# KiCad board Apollo - DSP.kicad_pcb
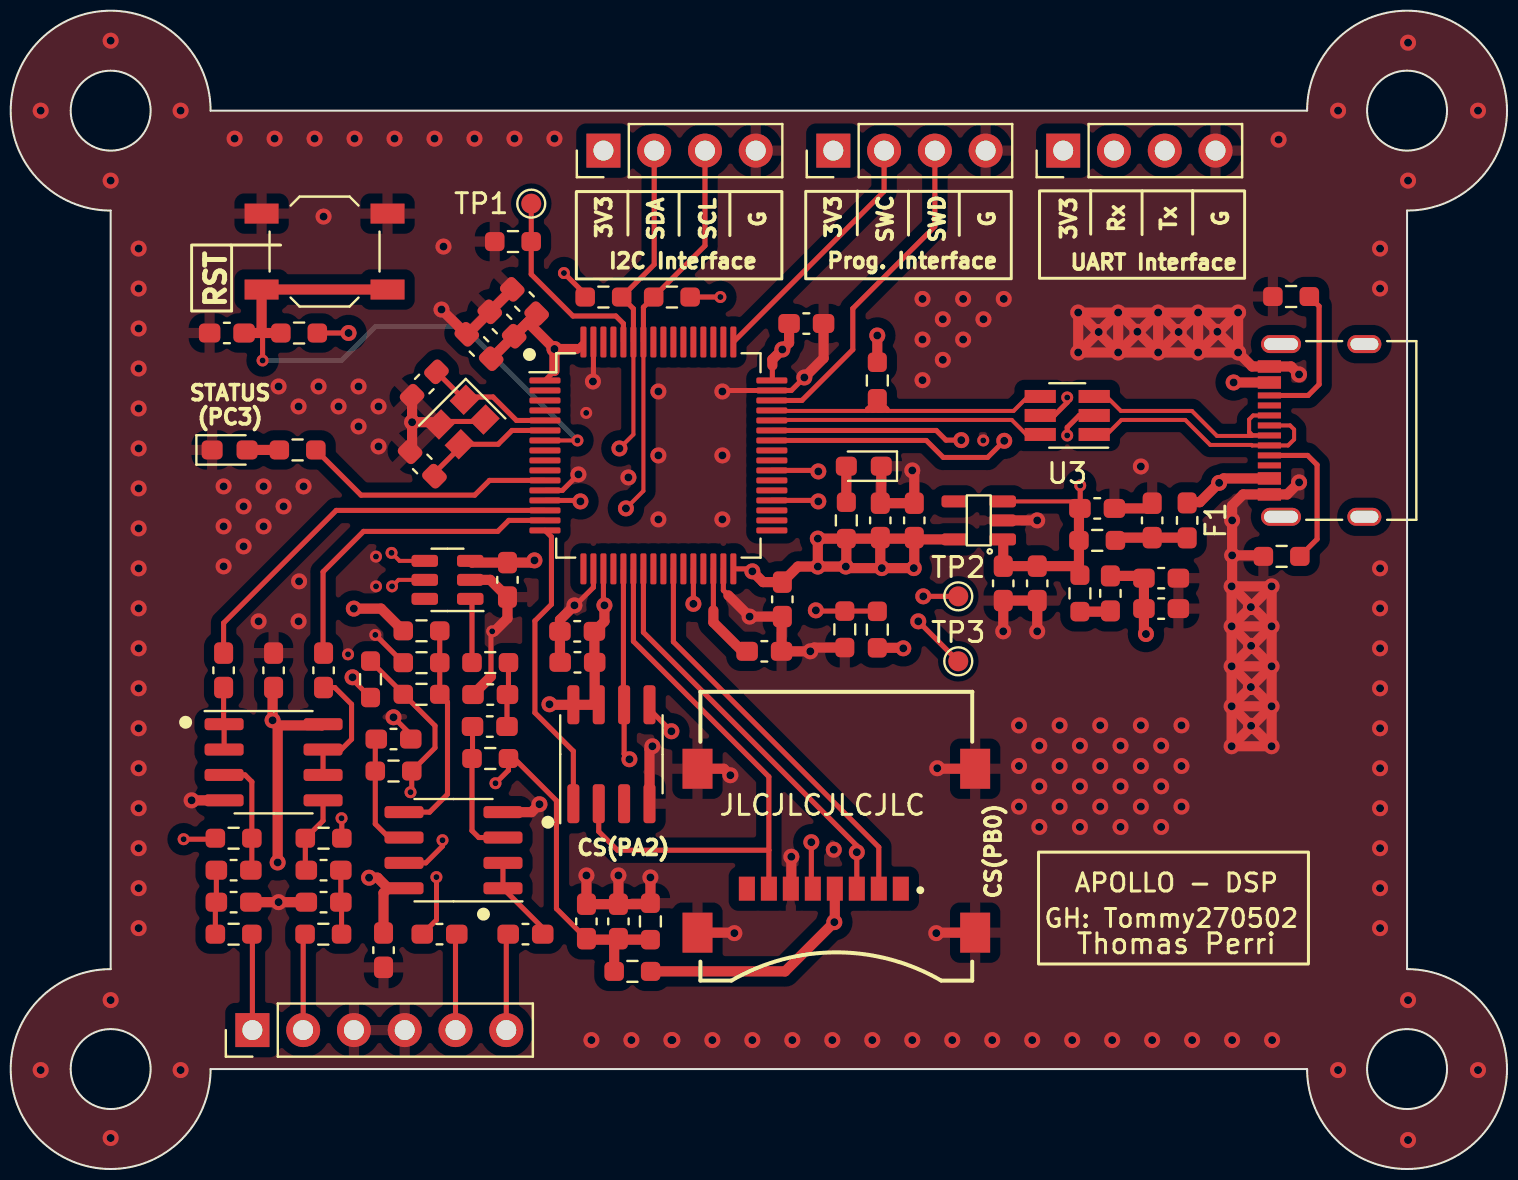
[diagram p0: board, top side]
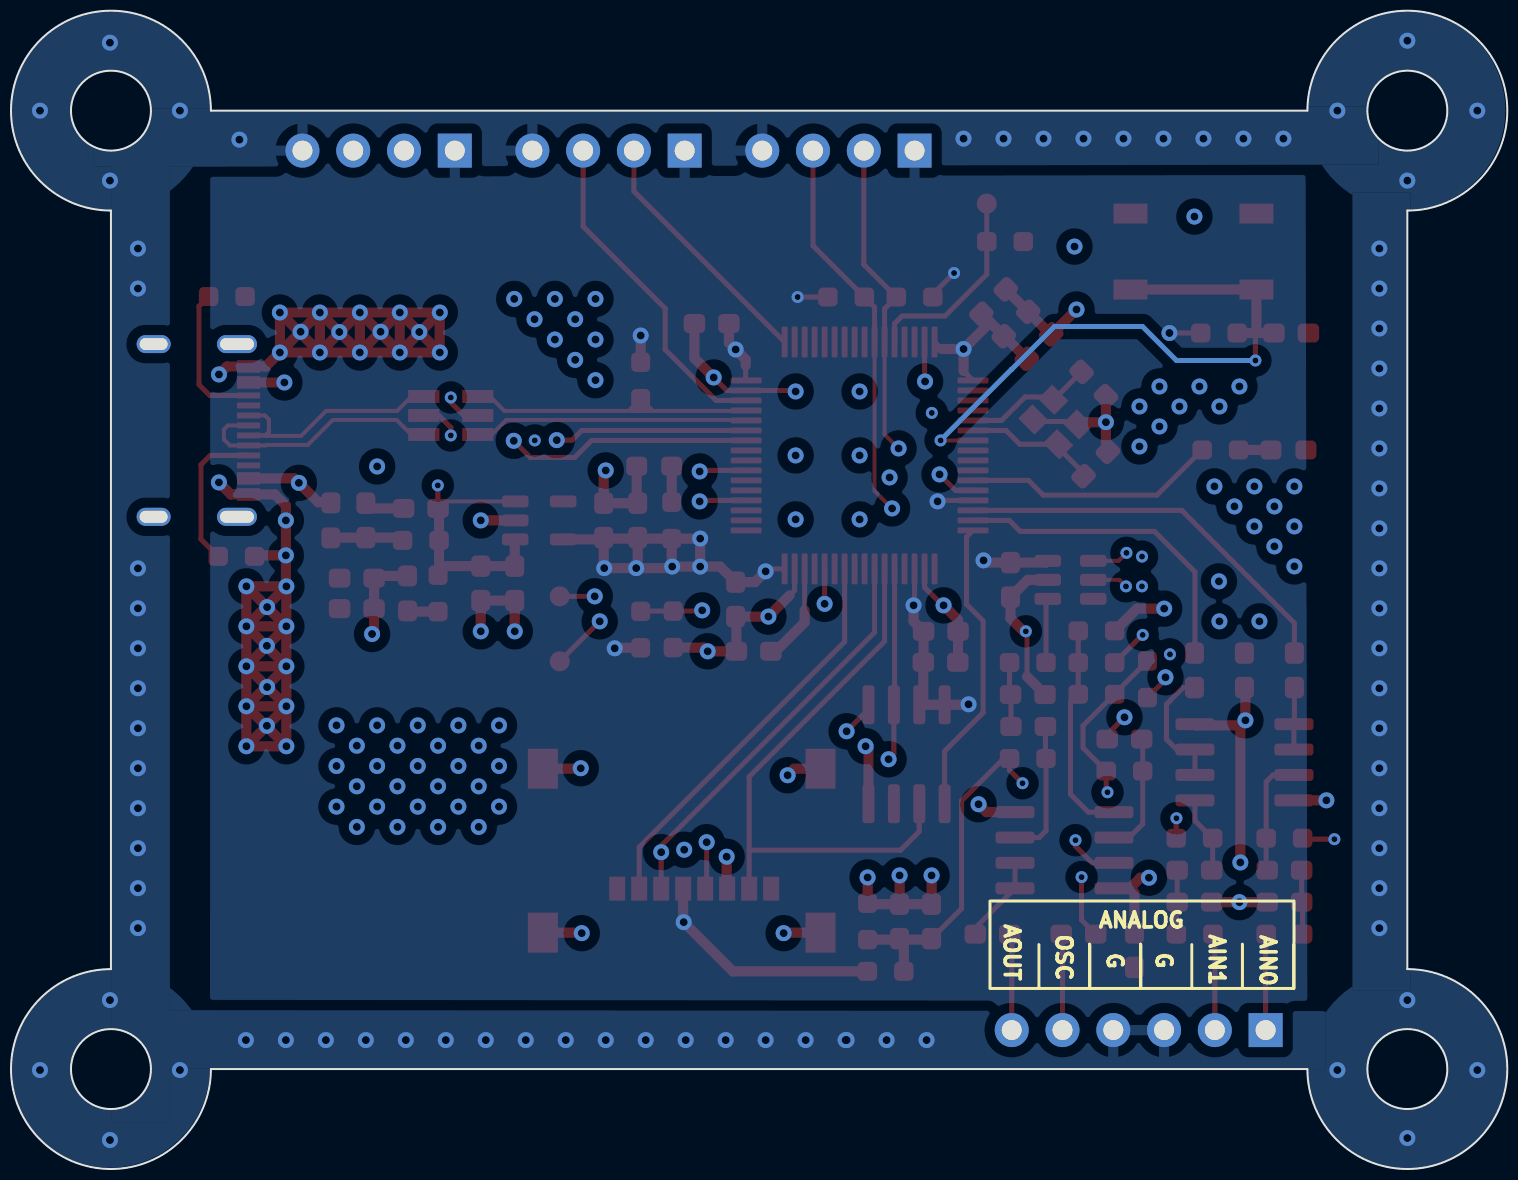
[diagram p1: board, bottom side, seen from below]

Outline 74.85 x 57.95 mm; copper layers: Top, In1.Cu, In2.Cu, Bottom. Coordinates in mm from the lower left corner of the outline.
Outline path: circle c5,52.95 r2 ; circle c5,5 r2 ; circle c69.85,52.95 r2 ; circle c69.85,5 r2 ; 5,47.95 arc(1.46,56.48) 10,52.95 64.85,52.95 arc(73.38,56.48) 69.85,47.95 69.85,10 arc(73.38,1.46) 64.85,5 10,5 arc(1.46,1.46) 5,10 5,47.95
Stack: Top 0.035mm / dielectric 0.2104mm FR4 er 4.5 / In1.Cu 0.0152mm / dielectric 1.065mm FR4 er 4.5 / In2.Cu 0.0152mm / dielectric 0.2104mm FR4 er 4.5 / Bottom 0.035mm

## Placement (name value [footprint] x y rotation side)
C1  10u  [C_0603_1608Metric_Pad1.08x0.95mm_HandSolder]  57.1 32.45 90 top
C2  10u  [C_0603_1608Metric_Pad1.08x0.95mm_HandSolder]  54.35 33.05 0 top
C3  10u  [C_0603_1608Metric_Pad1.08x0.95mm_HandSolder]  49.65 29.3 270 top
C4  100n  [C_0603_1608Metric_Pad1.08x0.95mm_HandSolder]  51.35 29.3 270 top
C5  10u  [C_0603_1608Metric_Pad1.08x0.95mm_HandSolder]  45.2 32.45 90 top
C6  100n  [C_0603_1608Metric_Pad1.08x0.95mm_HandSolder]  43.5 32.45 90 top
C7  220u  [C_0603_1608Metric_Pad1.08x0.95mm_HandSolder]  57.55 29.56 0 top
C8  10u  [C_0603_1608Metric_Pad1.08x0.95mm_HandSolder]  57.55 28.03 0 top
C13  10u  [C_0603_1608Metric_Pad1.08x0.95mm_HandSolder]  30.4 12.38 90 top
C14  10u  [C_0603_1608Metric_Pad1.08x0.95mm_HandSolder]  28.8 12.38 90 top
C15  100n  [C_0603_1608Metric_Pad1.08x0.95mm_HandSolder]  38.6 28.5 270 top
C16  100n  [C_0603_1608Metric_Pad1.08x0.95mm_HandSolder]  28.33 26.9 180 top
C17  100n  [C_0603_1608Metric_Pad1.08x0.95mm_HandSolder]  39.8 42.3 0 top
C18  100n  [C_0603_1608Metric_Pad1.08x0.95mm_HandSolder]  23.42 41.15 135 top
C19  100n  [C_0603_1608Metric_Pad1.08x0.95mm_HandSolder]  25.7 43.4 135 top
C20  10u  [C_0603_1608Metric_Pad1.08x0.95mm_HandSolder]  24.57 42.27 135 top
C21  100n  [C_0603_1608Metric_Pad1.08x0.95mm_HandSolder]  10.81 41.82 180 top
C23  10u  [C_0603_1608Metric_Pad1.08x0.95mm_HandSolder]  37.7 25.9 0 top
C24  10p  [C_0603_1608Metric_Pad1.08x0.95mm_HandSolder]  20.68 39.27 225 top
C25  10p  [C_0603_1608Metric_Pad1.08x0.95mm_HandSolder]  20.58 35.27 135 top
C26  100n  [C_0603_1608Metric_Pad1.08x0.95mm_HandSolder]  28.35 25.35 180 top
C29  100n  [C_0603_1608Metric_Pad1.08x0.95mm_HandSolder]  24.85 29.47 90 top
C30  100n  [C_0603_1608Metric_Pad1.08x0.95mm_HandSolder]  11.15 14.95 0 top
C31  100n  [C_0603_1608Metric_Pad1.08x0.95mm_HandSolder]  23.96 22.13 180 top
C32  100n  [C_0603_1608Metric_Pad1.08x0.95mm_HandSolder]  10.65 24.95 90 top
C33  1n  [C_0603_1608Metric_Pad1.08x0.95mm_HandSolder]  11.15 13.35 180 top
C34  100n  [C_0603_1608Metric_Pad1.08x0.95mm_HandSolder]  25.75 11.75 180 top
C35  1n  [C_0603_1608Metric_Pad1.08x0.95mm_HandSolder]  23.98 23.73 0 top
C36  100n  [C_0603_1608Metric_Pad1.08x0.95mm_HandSolder]  15.65 14.95 180 top
C37  100n  [C_0603_1608Metric_Pad1.08x0.95mm_HandSolder]  15.65 24.95 90 top
C38  1n  [C_0603_1608Metric_Pad1.08x0.95mm_HandSolder]  15.65 13.35 0 top
C39  100n  [C_0603_1608Metric_Pad1.08x0.95mm_HandSolder]  18.65 10.95 90 top
C40  100n  [C_0603_1608Metric_Pad1.08x0.95mm_HandSolder]  21.45 11.75 0 top
C41  100n  [C_0603_1608Metric_Pad1.08x0.95mm_HandSolder]  19.15 21.51 180 top
C42  100n  [C_0603_1608Metric_Pad1.08x0.95mm_HandSolder]  13.15 24.95 270 top
D1  Red  [LED_0603_1608Metric_Pad1.05x0.95mm_HandSolder]  42.67 35.16 180 top
D2  Green  [LED_0603_1608Metric_Pad1.05x0.95mm_HandSolder]  10.95 35.97 0 top
F1  500mA  [Fuse_0603_1608Metric_Pad1.05x0.95mm_HandSolder]  58.85 32.45 270 top
FB1  100R@100MHz  [R_0603_1608Metric_Pad0.98x0.95mm_HandSolder]  54.35 31.45 180 top
J1  USB_C_Receptacle_USB2.0  [USB_C_Receptacle_Palconn_UTC16-G]  65.47 36.95 90 top
J2  Conn_01x04  [PinHeader_1x04_P2.54mm_Vertical]  41.15 50.95 90 top
J3  Conn_01x04  [PinHeader_1x04_P2.54mm_Vertical]  52.65 50.95 90 top
J4  MEM2067-02-180-00-A_REVB  [GCT_MEM2067-02-180-00-A_REVB]  41.3 16.65 0 top
J5  Conn_01x06  [PinHeader_1x06_P2.54mm_Vertical]  12.09 6.95 90 top
J6  Conn_01x04  [PinHeader_1x04_P2.54mm_Vertical]  29.65 50.95 90 top
L1  8u8  [L_0603_1608Metric_Pad1.05x0.95mm_HandSolder]  55.01 28.79 90 top
R1  1k  [R_0603_1608Metric_Pad0.98x0.95mm_HandSolder]  41.8 32.45 270 top
R2  5.1k  [R_0603_1608Metric_Pad0.98x0.95mm_HandSolder]  63.57 30.65 180 top
R3  5.1k  [R_0603_1608Metric_Pad0.98x0.95mm_HandSolder]  64.05 43.65 180 top
R4  5k1  [R_0603_1608Metric_Pad0.98x0.95mm_HandSolder]  31.1 9.88 0 top
R5  5k1  [R_0603_1608Metric_Pad0.98x0.95mm_HandSolder]  32 12.38 90 top
R6  10k  [R_0603_1608Metric_Pad0.98x0.95mm_HandSolder]  14.42 41.82 180 top
R7  10k  [R_0603_1608Metric_Pad0.98x0.95mm_HandSolder]  25.12 46.4 180 top
R8  1k  [R_0603_1608Metric_Pad0.98x0.95mm_HandSolder]  14.35 35.97 180 top
R9  5k1  [R_0603_1608Metric_Pad0.98x0.95mm_HandSolder]  33.07 43.62 0 top
R10  5k1  [R_0603_1608Metric_Pad0.98x0.95mm_HandSolder]  29.65 43.62 180 top
R11  1M  [R_0603_1608Metric_Pad0.98x0.95mm_HandSolder]  11.15 16.55 180 top
R12  1M  [R_0603_1608Metric_Pad0.98x0.95mm_HandSolder]  23.98 20.53 0 top
R13  1.5k  [R_0603_1608Metric_Pad0.98x0.95mm_HandSolder]  43.35 39.45 270 top
R13#2  160R  [R_0603_1608Metric_Pad0.98x0.95mm_HandSolder]  11.15 11.75 0 top
R14  160R  [R_0603_1608Metric_Pad0.98x0.95mm_HandSolder]  23.98 25.33 180 top
R15  1M  [R_0603_1608Metric_Pad0.98x0.95mm_HandSolder]  15.65 16.55 0 top
R16  5k1  [R_0603_1608Metric_Pad0.98x0.95mm_HandSolder]  20.55 23.75 0 top
R17  160R  [R_0603_1608Metric_Pad0.98x0.95mm_HandSolder]  15.63 11.75 180 top
R18  5k1  [R_0603_1608Metric_Pad0.98x0.95mm_HandSolder]  20.55 25.33 180 top
R19  5k1  [R_0603_1608Metric_Pad0.98x0.95mm_HandSolder]  19.15 19.91 180 top
R20  160R  [R_0603_1608Metric_Pad0.98x0.95mm_HandSolder]  18 24.5 90 top
R21  5k1  [R_0603_1608Metric_Pad0.98x0.95mm_HandSolder]  20.55 26.92 0 top
R22  10k  [R_0603_1608Metric_Pad0.98x0.95mm_HandSolder]  41.72 27 270 top
R23  10k  [R_0603_1608Metric_Pad0.98x0.95mm_HandSolder]  43.35 26.98 90 top
R24  10R  [R_0603_1608Metric_Pad0.98x0.95mm_HandSolder]  53.48 28.79 270 top
RESET1  RST  [SW_SPST_TL3342]  15.7 45.9 0 top
TP1  TestPoint  [TestPoint_Pad_D1.0mm]  26.03 48.29 0 top
TP2  TestPoint  [TestPoint_Pad_D1.0mm]  47.4 28.65 0 top
TP3  TestPoint  [TestPoint_Pad_D1.0mm]  47.4 25.4 0 top
U1  -  [NCP115ASN330T2G]  48.42 32.45 180 top
U3  USBLC6-2SC6  [SOT-23-6_Handsoldering]  52.85 37.7 180 top
U4  STM32F401RBTx  [LQFP-64_10x10mm_P0.5mm]  32.4 35.7 0 top
U5  23K256  [SOIC-8_3.9x4.9mm_P1.27mm]  30.05 20.75 90 top
U6  MCP4725xxx-xCH  [SOT-23-6]  21.85 29.47 180 top
U7  MCP602  [SOIC-8_3.9x4.9mm_P1.27mm]  13.15 20.35 0 top
U8  MCP602  [SOIC-8_3.9x4.9mm_P1.27mm]  22.15 15.95 180 top
Y1  16MHz  [Crystal_SMD_2520-4Pin_2.5x2.0mm]  22.58 37.37 225 top

## Library data of the parts
C1-C8 C13-C21 C23-C26 C29-C42 = -: Description: Unpolarized capacitor, small symbol
D1 D2 = -: Description: Light emitting diode, small symbol
F1 = -: Description: Fuse
FB1 = -: Description: Ferrite bead, small symbol
J1 = -: Description: USB 2.0-only Type-C Receptacle connector
J2 J3 J6 = -: Description: Generic connector, single row, 01x04, script generated (kicad-library-utils/schlib/autogen/connector/)
J4 = -: MANUFACTURER: GCT
J5 = -: Description: Generic connector, single row, 01x06, script generated (kicad-library-utils/schlib/autogen/connector/)
L1 = -: Description: Inductor, small symbol
R1-R12 R13#2 R14-R24 = -: Description: Resistor, small symbol
RESET1 = -: Description: Push button switch, generic, two pins
TP1-TP3 = -: Description: test point
U1 = -: Description: 5V to 3V3 LDO @ 300mA
U3 = -: AVAILABILITY: In Stock; DESCRIPTION: 17V Clamp 5A (8/20µs) Ipp Tvs Diode Surface Mount SOT-23-6; MF: STMicroelectronics; PACKAGE: SOT-23-6 STMicroelectronics; PRICE: None; PURCHASE-URL: https://pricing.snapeda.com/search/part/USBLC6-2SC6/?ref=eda
U4 = -: Description: ARM Cortex-M4 MCU, 128KB flash, 64KB RAM, 84MHz, 1.7-3.6V, 50 GPIO, LQFP-64
U6 = -: Description: 12-bit Digital-to-Analog Converter, integrated EEPROM, I2C interface, SOT-23-6
U7 U8 = -: Description: Dual 2.7V to 6.0V Single Supply CMOS Op Amps, DIP-8/SOIC-8/TSSOP-8
Y1 = -: Description: Four pin crystal, GND on pins 2 and 4, small symbol

## Footprints (pads in the part's own frame, mm; a bottom-side part is the same pattern mirrored in y, then rotated)
C_0603_1608Metric_Pad1.08x0.95mm_HandSolder
  rrect 1.075x0.95 smd: 1(-0.863,0) 2(0.863,0)
Crystal_SMD_2520-4Pin_2.5x2.0mm
  rect 1.15x1 smd: 1(-0.875,-0.7) 2(0.875,-0.7) 3(0.875,0.7) 4(-0.875,0.7)
Fuse_0603_1608Metric_Pad1.05x0.95mm_HandSolder
  rrect 1.05x0.95 smd: 1(-0.875,0) 2(0.875,0)
GCT_MEM2067-02-180-00-A_REVB
  rect 0.8x1.2 smd: 1(3.225,-2.625) 2(2.125,-2.625) 3(1.025,-2.625) 4(-0.075,-2.625) 5(-1.175,-2.625) 6(-2.275,-2.625) 7(-3.375,-2.625) 8(-4.475,-2.625)
  rect 1.5x2 smd: 9(-6.945,-4.825) 10(-6.945,3.375) 11(6.945,3.375) 12(6.945,-4.825)
L_0603_1608Metric_Pad1.05x0.95mm_HandSolder
  rrect 1.05x0.95 smd: 1(-0.875,0) 2(0.875,0)
LED_0603_1608Metric_Pad1.05x0.95mm_HandSolder
  rrect 1.05x0.95 smd: 1(-0.875,0) 2(0.875,0)
LQFP-64_10x10mm_P0.5mm
  rrect 1.55x0.3 smd: 1(-5.675,3.75) 2(-5.675,3.25) 3(-5.675,2.75) 4(-5.675,2.25) 5(-5.675,1.75) 6(-5.675,1.25) 7(-5.675,0.75) 8(-5.675,0.25) 9(-5.675,-0.25) 10(-5.675,-0.75) 11(-5.675,-1.25) 12(-5.675,-1.75) 13(-5.675,-2.25) 14(-5.675,-2.75) 15(-5.675,-3.25) 16(-5.675,-3.75) 33(5.675,-3.75) 34(5.675,-3.25) 35(5.675,-2.75) 36(5.675,-2.25) 37(5.675,-1.75) 38(5.675,-1.25) 39(5.675,-0.75) 40(5.675,-0.25) 41(5.675,0.25) 42(5.675,0.75) 43(5.675,1.25) 44(5.675,1.75) 45(5.675,2.25) 46(5.675,2.75) 47(5.675,3.25) 48(5.675,3.75)
  rrect 0.3x1.55 smd: 17(-3.75,-5.675) 18(-3.25,-5.675) 19(-2.75,-5.675) 20(-2.25,-5.675) 21(-1.75,-5.675) 22(-1.25,-5.675) 23(-0.75,-5.675) 24(-0.25,-5.675) 25(0.25,-5.675) 26(0.75,-5.675) 27(1.25,-5.675) 28(1.75,-5.675) 29(2.25,-5.675) 30(2.75,-5.675) 31(3.25,-5.675) 32(3.75,-5.675) 49(3.75,5.675) 50(3.25,5.675) 51(2.75,5.675) 52(2.25,5.675) 53(1.75,5.675) 54(1.25,5.675) 55(0.75,5.675) 56(0.25,5.675) 57(-0.25,5.675) 58(-0.75,5.675) 59(-1.25,5.675) 60(-1.75,5.675) 61(-2.25,5.675) 62(-2.75,5.675) 63(-3.25,5.675) 64(-3.75,5.675)
NCP115ASN330T2G
  rrect 1.325x0.6 smd: 1(-1.2,0.95) 2(-1.2,0) 3(-1.2,-0.95) 4(1.2,-0.95) 5(1.2,0.95)
PinHeader_1x04_P2.54mm_Vertical
  rect 1.7x1.7 hole 1: 1(0,0)
  oval 1.7x1.7 hole 1: 2(0,-2.54) 3(0,-5.08) 4(0,-7.62)
PinHeader_1x06_P2.54mm_Vertical
  rect 1.7x1.7 hole 1: 1(0,0)
  oval 1.7x1.7 hole 1: 2(0,-2.54) 3(0,-5.08) 4(0,-7.62) 5(0,-10.16) 6(0,-12.7)
R_0603_1608Metric_Pad0.98x0.95mm_HandSolder
  rrect 0.975x0.95 smd: 1(-0.912,0) 2(0.912,0)
SOIC-8_3.9x4.9mm_P1.27mm
  rrect 1.95x0.6 smd: 1(-2.475,1.905) 2(-2.475,0.635) 3(-2.475,-0.635) 4(-2.475,-1.905) 5(2.475,-1.905) 6(2.475,-0.635) 7(2.475,0.635) 8(2.475,1.905)
SOT-23-6
  rrect 1.325x0.6 smd: 1(-1.137,0.95) 2(-1.137,0) 3(-1.137,-0.95) 4(1.137,-0.95) 5(1.137,0) 6(1.137,0.95)
SOT-23-6_Handsoldering
  rect 1.56x0.65 smd: 1(-1.35,0.95) 2(-1.35,0) 3(-1.35,-0.95) 4(1.35,-0.95) 5(1.35,0) 6(1.35,0.95)
SW_SPST_TL3342
  rect 1.7x1 smd: 1(-3.15,1.9) 1(3.15,1.9) 2(-3.15,-1.9) 2(3.15,-1.9)
TestPoint_Pad_D1.0mm
  round 1 smd: 1(0,0)
USB_C_Receptacle_Palconn_UTC16-G
  rect 0.6x1.16 smd: A1(-3.2,2.51) A4(-2.4,2.51) A9(2.4,2.51) A12(3.2,2.51) B1(3.2,2.51) B4(2.4,2.51) B9(-2.4,2.51) B12(-3.2,2.51)
  rect 0.3x1.16 smd: A5(-1.25,2.51) A6(-0.25,2.51) A7(0.25,2.51) A8(1.25,2.51) B5(1.75,2.51) B6(0.75,2.51) B7(-0.75,2.51) B8(-1.75,2.51)
  oval 0.9x2 hole 0.6x1.7: S1(-4.32,1.93) S1(4.32,1.93)
  oval 0.9x1.7 hole 0.6x1.4: S1(-4.32,-2.24) S1(4.32,-2.24)

## Nets
3.3V: C5.1 C6.1 C15.1 C16.1 C17.1 C18.1 C19.1 C20.1 C26.1 C29.2 J2.1 J3.1 J4.4 J6.1 R1.2 R4.2 R6.1 R9.2 R10.2 R13.1 R23.1 U1.5 U4.1 U4.13 U4.19 U4.32 U4.48 U4.64 U5.7 U5.8 U6.3
+5V: C2.1 C3.1 C4.1 FB1.2 R24.1 U1.1 U1.3 U3.5
+5VA: C7.1 C8.1 C39.2 C42.2 L1.2 R21.1 U7.8 U8.8
GND: C1.2 C2.2 C3.2 C4.2 C5.2 C6.2 C7.2 C8.2 C13.2 C14.2 C15.2 C16.2 C17.2 C18.2 C19.2 C20.2 C21.2 C23.2 C24.2 C25.2 C26.2 C29.1 C33.1 C35.1 C38.1 C39.1 C41.1 C42.1 D1.1 D2.1 J1.A1 J1.A12 J1.B1 J1.B12 J2.4 J3.4 J4.6 J4.9 J4.10 J4.11 J4.12 J5.3 J5.4 J6.4 R2.2 R3.2 R5.2 R7.2 R18.2 R22.2 RESET1.1 U1.2 U3.2 U4.12 U4.18 U4.31 U4.47 U4.63 U5.4 U6.2 U7.4 U8.4 Y1.2 Y1.4
VBUS: C1.1 F1.2 FB1.1
/Analog/CH0_+: C30.2 R11.1 U7.3
/Analog/CH0_LPF: C30.1 C33.2 R13#2.1
/Analog/CH0_OP_OUT: C32.1 U7.1 U7.2
/Analog/CH1_+: C36.2 R15.1 U7.5
/Analog/CH1_LPF: C36.1 C38.2 R17.1
/Analog/CH1_OP_OUT: C37.1 U7.6 U7.7
/POW: F1.1 J1.A4 J1.A9 J1.B4 J1.B9
ADC_CH0_IN: C32.2 U4.14
ADC_CH1_IN: C37.2 U4.15
AIN0: J5.1 R13#2.2
AIN1: J5.2 R17.2
AOUT: C34.2 J5.6
BOOT0: R7.1 TP1.1 U4.60
BOOT1: R22.1 R23.2 U4.28
DAC_OUT: R14.2 U6.1
MISO: J4.7 U4.22 U5.2
MOSI: J4.3 U4.23 U5.5
NRST: C21.1 R6.2 RESET1.2 U4.7
OSC: C40.2 J5.5
RAM_nCS: U4.16 U5.1
Rx: J3.2 U4.43
SCK: J4.5 U4.21 U5.6
SCL: J6.3 R9.1 U4.58 U6.5
SD_nCS: J4.2 U4.26
SDA: J6.2 R10.1 U4.59 U6.4
SWCLK: J2.2 U4.49
SWDIO: J2.3 U4.46
Tx: J3.3 U4.42
USB_CONN_+: J1.A6 J1.B6 U3.3
USB_CONN_-: J1.A7 J1.B7 U3.1
USB_D+: R13.2 U3.4 U4.45
USB_D-: U3.6 U4.44
VAA: C13.1 C14.1 R4.1 R5.1 R11.2 R12.2 R15.2
X1: C24.1 U4.5 Y1.1
X2: C25.1 U4.6 Y1.3
Net-(C31-Pad1): C31.1 C35.2 R14.1
Net-(C40-Pad1): C40.1 R20.1
Net-(D1-A): D1.2 R1.1
Net-(D2-A): D2.2 R8.2
Net-(J1-CC1): J1.A5 R2.1
Net-(J1-CC2): J1.B5 R3.1
Net-(L1-Pad1): L1.1 R24.2
Net-(R16-Pad1): R16.1 R19.1 R20.2 U8.7
Net-(U4-PB15): TP3.1 U4.36
Net-(U4-PC3): R8.1 U4.11
Net-(U4-PC8): TP2.1 U4.39
Net-(U4-VCAP1): C23.1 U4.30
Net-(U8A-+): C31.2 R12.1 U8.3
Net-(U8A--): C34.1 U8.1 U8.2
Net-(U8B-+): R16.2 R18.1 R21.2 U8.5
Net-(U8B--): C41.2 R19.2 U8.6

Pads without a net: J1 A8 B8 S1; J4 1 8; U1 4; U4 2 3 4 8 9 10 17 20 24 25 27 29 33 34 35 37 38 40 41 50 51 52 53 54 55 56 57 61 62; U5 3; U6 6

## Via types
v1: diameter 0.8, hole 0.4, Top to Bottom, 237 vias
v2: diameter 0.6, hole 0.3, Top to Bottom, 22 vias

## Routing (per net, layer and track width the routed paths; a pad name or vN(x,y) marks a point on that pad's centre or on a via; arc(x,y) is an arc through that point)
3.3V: length 68.6
  Top w0.25: v1(28.5,33.4) 28.45,33.45 U4.13
  Top w0.254: U4.48 38.1,39.47 38.1,40.2 ; R6.1 v1(16.9,41.82) ; 28.73,43.76 v2(27.67,44.82) ; U4.32 36.97,30.02 v1(37.1,29.9) ; U4.19 29.65,28.25 v1(29.7,28.2) ; 28.3,41.02 U4.64 ; 27.2,39.92 U4.1 ; R9.2 v2(35.5,43.62)
  Top w0.508: 26.28,42.79 C18.1 ; C26.1 29.21,23.42 29.41,23.22 26.97,23.22 v1(26.95,23.25) ; v1(43.57,30.06) v1(45.17,30.06) 45.2,30.08 45.2,31.53 43.5,31.53 ; v1(43.57,30.06) 43.5,30.13 43.5,31.53 ; v1(43.57,30.06) 41.85,30.06 v1(41.77,30.14) v1(40.37,30.14) ; v1(40.37,30.14) 39.37,30.14 C15.1 37.63,29.36 v1(37.1,29.9) ; v1(40.37,30.14) v1(40.37,31.54) 40.37,31.53 R1.2 ; 43.5,31.53 R1.2 ; U1.5 45.28,31.5 ; J4.4 41.22,12.37 v1(41.2,12.35) 38.73,9.88 R4.2 ; 29.2,25.36 C16.1 29.7,27.4 v1(29.7,28.2) ; C20.1 25.87,42.35 v1(27.2,41.02) ; 38.1,40.2 38.1,40.5 v1(38.6,41) 38.93,41.33 C17.1 ; v1(26.2,30.45) 26.08,30.33 C29.2 23.07,30.33 U6.3 ; 43.35,26.07 44.62,26.07 v1(44.65,26.05) ; v1(27.2,41.02) 28.3,41.02 ; v1(27.2,41.02) 27.2,39.92 ; R1.2 41.8,30.16 ; R13.1 v1(43.35,41.7)
+5V: length 20.1
  Top w0.2: U1.3 53.13,33.4
  Top w0.254: v2(53.5,34.2) 53.5,33.06 C2.1 ; 51.59,37.7 52.2,37.7 52.85,38.35 v2(52.85,38.6)
  Top w0.508: 53.43,30.32 FB1.2 53.43,33 ; 53.43,30.32 53.43,29.75 R24.1 ; 53.43,30.32 53.27,30.16 C4.1 C3.1 49.65,31.47
  In2.Cu w0.254: v2(53.5,34.2) 52.22,35.47 52.22,37.97 v2(52.85,38.6)
+5VA: length 78.2
  Top w0.508: L1.2 56.57,29.67 C7.1 C8.1 56.68,26.86 v1(56.78,26.76) ; C42.2 13.1,24.03 v1(13.1,22.44) 13.35,22.19 ; U7.8 15.56,22.19 13.35,22.19 ; C39.2 18.65,13.81 18.88,14.04 ; R21.1 18.52,28.03 v1(17.16,28.03) ; v1(13.35,15.33) 13.35,22.19 ; v1(17.92,14.57) 18.35,14.57 18.88,14.04 ; 18.88,14.04 U8.8
  In2.Cu w0.508: v1(17.92,14.57) 14.11,14.57 v1(13.35,15.33) ; v1(13.1,22.44) 13.1,23.97 v1(17.16,28.03) 25.29,28.03 30.11,23.21 53.23,23.21 v1(56.78,26.76)
GND: length 199.4
  Top w0.25: 20.01,21.73 v1(19.15,22.6) ; U4.47 35.65,38.95 v1(35.6,38.9) ; U4.12 27.6,33.95 v1(28.4,34.75)
  Top w0.254: v2(18.23,26.72) 18.24,26.72 R18.2 ; v1(28.2,28.2) 28.25,28.2 29.15,29.1 U4.18 ; 24.02,24.63 24.02,26.84 v2(24.08,26.9) 24.2,26.9 ; U4.31 35.65,28.95 35.9,28.7 ; v1(39.7,39.6) 39.05,38.95 U4.47 ; U4.63 29.15,39.42 v1(29.12,39.4) ; 53.71,37.7 53.45,37.7 52.85,37.1 v2(52.85,36.7) ; 23.6,37.4 21.62,37.4
  Top w0.508: v1(61.07,27.15) v1(63.07,29.15) ; v1(61.07,27.15) v1(63.07,27.15) ; v1(61.07,27.15) v1(63.07,25.15) ; v1(61.07,27.15) v1(61.07,25.15) ; v1(61.07,27.15) v1(61.07,29.15) ; v1(63.07,29.15) v1(61.07,29.15) ; v1(63.07,29.15) v1(63.07,27.15) ; v1(53.4,40.85) v1(55.4,42.85) ; v1(53.4,40.85) v1(55.4,40.85) ; v1(53.4,40.85) v1(53.4,42.85) ; v1(55.4,42.85) v1(55.4,40.85) ; v1(55.4,42.85) v1(53.4,42.85) ; v1(55.4,42.85) v1(57.4,40.85) ; v1(55.4,42.85) v1(57.4,42.85) ; C6.2 C5.2 45.2,34.85 v1(45.1,34.95) ; 27.47,25.36 C16.2 27.47,27.47 v1(28.2,28.2) ; C19.2 C20.2 22.84,41.76 ; v1(63.07,23.15) v1(63.07,21.15) ; v1(63.07,23.15) v1(61.07,23.15) ; v1(63.07,23.15) v1(63.07,25.15) ; v1(63.07,23.15) v1(61.07,21.15) ; v1(63.07,23.15) v1(61.07,25.15) ; v1(63.07,21.15) v1(61.07,21.15) ; v1(63.07,21.15) v1(61.07,23.15) ; v1(61.1,30.7) 62.61,30.7 ; v1(61.1,30.7) 61.1,29.17 v1(61.07,29.15) ; v1(61.1,30.7) 61.1,33.2 61.65,33.75 J1.A1 63.85,33.75 v1(64.45,34.35) ; C15.2 v1(36.96,27.63) 35.9,28.7 ; v1(59.4,40.85) v1(57.4,40.85) ; v1(59.4,40.85) v1(57.4,42.85) ; v1(59.4,40.85) v1(59.4,42.85) ; v1(59.4,40.85) v1(61.4,42.85) ; v1(59.4,40.85) v1(61.4,40.85) ; v1(57.4,40.85) v1(55.4,40.85) ; v1(57.4,40.85) v1(57.4,42.85) ; v1(57.4,40.85) v1(59.4,42.85) ; v1(36,19.7) 35.67,20.02 J4.10 ; U5.4 31.95,21 v1(32.1,21.15) ; v1(61.07,23.15) v1(63.07,25.15) ; v1(61.07,23.15) v1(61.07,21.15) ; v1(61.07,23.15) v1(61.07,25.15) ; v1(63.07,25.15) v1(63.07,27.15) ; v1(63.07,25.15) v1(61.07,25.15) ; v1(49.65,26.9) C3.2 C4.2 v1(51.35,26.9) ; v1(53.4,42.85) v1(55.4,40.85) ; v1(61.4,42.85) v1(59.4,42.85) ; v1(61.4,42.85) v1(61.4,40.85) ; v1(59.4,42.85) v1(61.4,40.85) ; v1(59.4,42.85) v1(57.4,42.85) ; D1.1 43.55,33.36 ; v1(46.35,20.05) 46.37,20.02 J4.11 ; 38.56,27.6 C23.2 v1(40,25.9) 40.18,26.08 R22.2 ; v1(61.4,40.85) 62.1,40.15 J1.A12 64.05,40.15 v1(64.44,39.75) ; C17.2 40.66,40.56 v1(39.7,39.6) ; v1(61.07,29.15) v1(63.07,27.15) ; v1(28.8,14.68) C14.2 C13.2 ; v1(57.4,42.85) v1(55.4,40.85) ; C13.2 31.95,13.25 ; C13.2 v1(30.4,14.68) ; C1.2 56.83,33.05 C2.2 ; v1(20.07,37.36) 21.36,37.36 ; J4.9 36.17,11.82 v1(36.2,11.8) ; U6.2 23.98,29.47 C29.1 24.85,27.55 24.2,26.9 ; v1(39.05,15.62) 39.05,14.05 ; R5.2 v1(32,14.58) ; v1(61.07,25.15) v1(63.07,27.15) ; U1.2 v1(51.35,32.45) ; v1(26.45,18.25) 26.05,17.85 U8.4 ; J4.12 46.32,11.82 v1(46.3,11.8) ; v1(9.05,18.44) U7.4 ; 22.79,41.76 v1(21.55,43) ; C24.2 20.07,35.98 ; C38.1 v1(13.4,13.35) C33.1 ; C35.1 24.02,24.63
  vias: v1(1.5,52.95) v1(1.5,4.95) v1(5,56.45) v1(5,49.45) v1(5,8.45) v1(5,1.55) v1(6.4,46.05) v1(6.4,44.05) v1(6.4,42.05) v1(6.4,40.05) v1(6.4,38.05) v1(6.4,36.05) v1(6.4,34.05) v1(6.4,32.05) v1(6.4,30.05) v1(6.4,28.05) v1(6.4,26.05) v1(6.4,24.05) v1(6.4,22.05) v1(6.4,20.05) v1(6.4,18.05) v1(6.4,16.05) v1(6.4,14.05) v1(6.4,12.05) v1(8.5,52.95) v1(8.5,4.95) v1(10.65,34.15) v1(10.65,32.15) v1(10.65,30.15) v1(11.2,51.55) v1(11.65,33.15) v1(11.65,31.15) v1(12.4,27.4) v1(12.65,34.15) v1(12.65,32.15) v1(13.2,51.55) v1(13.4,39.15) v1(13.65,33.15) v1(14.4,38.15) v1(14.42,29.4) v1(14.4,27.4) v1(14.65,34.15) v1(15.2,51.55) v1(15.4,39.15) v1(15.65,47.65) v1(16.4,38.15) v1(17.2,51.55) v1(17.4,39.15) v1(17.4,37.15) v1(18.4,38.15) v1(18.4,36.15) v1(19.2,51.55) v1(21.2,51.55) v1(21.65,46.15) v1(23.2,51.55) v1(25.2,51.55) v1(27.2,51.55) v1(29.05,6.45) v1(30.9,34.6) v1(31.05,6.45) v1(32.4,38.9) v1(32.4,35.7) v1(32.4,32.5) v1(33.05,6.45) v1(33.1,6.45) v1(35.1,6.45) v1(35.6,35.7) v1(35.6,32.5) v1(37.1,6.45) v1(39.1,6.45) v1(41.1,6.45) v1(41.17,15.97) v1(43.1,6.45) v1(45.1,6.45) v1(45.61,43.53) v1(45.61,41.49) v1(45.61,39.46) v1(46.62,42.51) v1(46.62,40.48) v1(47.1,6.45) v1(47.64,43.53) v1(47.64,41.49) v1(48.66,42.51) v1(49.1,6.45) v1(49.67,43.53) v1(50.43,22.19) v1(50.43,20.16) v1(50.43,18.13) v1(51.1,6.45) v1(51.45,21.17) v1(51.45,19.14) v1(51.45,17.11) v1(52.47,22.19) v1(52.47,20.16) v1(52.47,18.13) v1(53.1,6.45) v1(53.48,21.17) v1(53.48,19.14) v1(53.48,17.11) v1(54.42,41.87) v1(54.5,22.19) v1(54.5,20.16) v1(54.5,18.13) v1(55.1,6.45) v1(55.51,21.17) v1(55.51,19.14) v1(55.51,17.11) v1(56.36,41.88) v1(56.53,35.14) v1(56.53,22.19) v1(56.53,20.16) v1(56.53,18.13) v1(57.1,6.45) v1(57.55,21.17) v1(57.55,19.14) v1(57.55,17.11) v1(58.42,41.87) v1(58.56,22.19) v1(58.56,20.16) v1(58.56,18.13) v1(59.1,6.45) v1(60.36,41.88) v1(61.1,32.45) v1(61.1,6.45) v1(62.03,28.11) v1(62.05,26.17) v1(62.03,24.11) v1(62.05,22.17) v1(63.1,6.45) v1(63.42,51.5) v1(66.4,52.95) v1(66.4,4.95) v1(68.5,46.05) v1(68.5,44.05) v1(68.5,30.05) v1(68.5,28.05) v1(68.5,26.05) v1(68.5,24.05) v1(68.5,22.05) v1(68.5,20.05) v1(68.5,18.05) v1(68.5,16.05) v1(68.5,14.05) v1(68.5,12.05) v1(69.9,56.35) v1(69.9,49.45) v1(69.9,8.45) v1(69.9,1.45) v1(73.4,52.95) v1(73.4,4.95) v2(16.87,25.75) v2(18.27,30.64) v2(18.27,29.15) v2(28.78,37.82) v2(48.65,36.45)
VBUS: length 3.4
  Top w0.508: 58.8,31.58 C1.1 55.4,31.58
/Analog/CH0_+: length 5.9
  Top w0.254: U7.3 11.72,19.71 12.06,19.37 R11.1 12.06,15
/Analog/CH0_LPF: length 3.2
  Top w0.254: R13#2.1 10.23,13.3 ; C30.1 C33.2
/Analog/CH0_OP_OUT: length 3.1
  Top w0.254: C32.1 10.65,22.28 ; U7.2 U7.1
/Analog/CH1_+: length 3.8
  Top w0.254: U7.5 15.62,17.42 14.75,16.55 ; R15.1 14.73,15
/Analog/CH1_LPF: length 3.2
  Top w0.254: R17.1 16.55,13.31 ; C36.1 C38.2
/Analog/CH1_OP_OUT: length 6.4
  Top w0.254: U7.6 U7.7 16.53,20.98 17.05,21.5 17.05,23.25 16.21,24.08 C37.1
/POW: length 11.7
  Top w0.508: 58.85,33.36 59.48,33.36 v1(60.45,34.32) 60.67,34.55 J1.A4 ; J1.A9 v1(61.17,39.35)
  In2.Cu w0.508: v1(60.45,34.32) 60.45,38.62 v1(61.17,39.35)
ADC_CH0_IN: length 19.9
  Top w0.254: C32.2 10.65,27.31 16.28,32.95 U4.14
ADC_CH1_IN: length 16.2
  Top w0.254: U4.15 24.91,32.45 24.36,31.9 17.65,31.9 15.62,29.87 15.62,25.83
AIN0: length 4.8
  Top w0.254: R13#2.2 12.09,11.72 J5.1
AIN1: length 4.8
  Top w0.254: J5.2 14.63,11.65 R17.2
AOUT: length 4.8
  Top w0.254: J5.6 24.79,11.65 C34.2
BOOT0: length 10.1
  Top w0.25: R7.1 26.03,46.4 TP1.1
  Top w0.254: R7.1 26.03,44.76 28.12,42.67 30.27,42.67 30.65,42.29 U4.60
BOOT1: length 11.3
  Top w0.254: v1(40.27,27.95) 40.31,27.91 R22.1 43.33,27.91 R23.2 ; v1(34.15,28.27) U4.28
  In2.Cu w0.254: v1(34.15,28.27) 34.4,28.52 39.7,28.52 v1(40.27,27.95)
DAC_OUT: length 3.1
  Top w0.254: 23.07,25.33 23.07,28.43
MISO: length 29.1
  Top w0.254: J4.7 37.92,15.95 ; 37.92,15.95 37.92,19.62 31.15,26.4 U4.22 ; 37.92,15.95 30.35,15.95 29.41,16.88 U5.2
MOSI: length 34
  Top w0.254: J4.3 v1(42.32,15.85) 42.32,16.17 31.65,26.85 U4.23 ; 31.95,23.22 31.95,22.99 v1(33.05,21.9)
  In2.Cu w0.254: v1(33.05,21.9) 33.4,21.55 36.62,21.55 v1(42.32,15.85)
NRST: length 32.2
  Top w0.2: 12.6,41.78 12.63,41.82 ; U4.7 v2(28.35,36.45)
  Top w0.254: v2(12.6,40.45) 12.6,41.78
  Top w0.508: 12.63,41.82 12.55,41.91 RESET1.2 RESET1.2 ; 12.63,41.82 R6.2 ; 12.63,41.82 11.67,41.82
  Bottom w0.25: v2(28.35,36.45) 28.35,36.45 24.8,40 24.79,40 22.65,42.15 18.25,42.15 16.55,40.45 v2(12.6,40.45)
OSC: length 4.8
  Top w0.254: C40.2 22.25,11.68 J5.5
RAM_nCS: length 14.9
  Top w0.254: U4.16 27.05,31.62 27.05,28.25 26.22,27.42 26.22,22.82 28.14,20.9 U5.1
Rx: length 27.3
  Top w0.254: U4.43 46.3,36.95 46.78,36.46 v1(47.55,36.46)
  In2.Cu w0.254: J3.2 55.19,47.34 47.55,39.7 v1(47.55,36.46)
SCK: length 22.7
  Top w0.254: U4.21 30.65,23.26 ; v1(30.95,20.5) 30.68,20.76 30.68,23.22 ; v1(40.05,16.35) 40.05,14.1
  In2.Cu w0.254: v1(40.05,16.35) 35.12,16.35 30.97,20.5 v1(30.95,20.5)
SCL: length 34.6
  Top w0.2: U6.5 19.4,29.47 v2(19.07,29.15) ; U4.58 31.65,33.92 v1(30.77,33.05)
  Top w0.254: U4.58 31.65,43.11 R9.1 34.73,46.19 J6.3
  In2.Cu w0.2: v1(30.77,33.05) 26.97,29.25 19.17,29.25 v2(19.07,29.15)
SD_nCS: length 20.3
  Top w0.254: J4.2 43.42,16.1 33.15,26.37 U4.26
SDA: length 32.6
  Top w0.2: v2(19.05,30.82) 19.45,30.42 U6.4 ; U4.59 31.15,36.75 v1(30.45,36.05)
  Top w0.254: J6.2 32.19,45.25 R10.1 31.15,43.03 U4.59
  In2.Cu w0.2: v1(30.45,36.05) 29.62,35.22 29.62,33.35 28.32,32.05 25.8,32.05 24.55,30.8 19.07,30.8 v2(19.05,30.82)
SWCLK: length 12.7
  Top w0.254: J2.2 43.69,48.91 U4.49
SWDIO: length 16.8
  Top w0.254: U4.46 39.57,38.45 42.12,40.99 42.12,43.05 46.23,47.15 J2.3
Tx: length 30.2
  Top w0.25: U4.42 45.8,36.45 46.65,35.6 48.86,35.6 v1(49.7,36.43)
  In2.Cu w0.254: v1(49.7,36.43) 49.7,40.17 57.73,48.2 J3.3
USB_CONN_+: length 12.8
  Top w0.2: 61.95,36.88 61.95,37.5 62.15,37.7 J1.B6 ; 61.95,36.88 61.95,36.67 62.07,36.67 ; 61.95,36.88 62.13,36.7 J1.A6 62.09,36.7 62.07,36.67 ; 54.1,38.65 54.81,38.65 55.53,37.92 59.09,37.92 60.34,36.67 62.07,36.67
USB_CONN_-: length 12.9
  Top w0.2: J1.A7 64,37.2 64.2,37 64.2,36.5 63.9,36.2 J1.B7 62.09,36.2 62.07,36.22 60,36.22 58.75,37.47 55.55,37.47 54.83,36.75 54.1,36.75
USB_D+: length 17.8
  Top w0.2: 43.85,37.92 43.57,37.92 ; 43.85,37.92 43.85,38.03 ; 43.85,37.92 50.16,37.92 50.89,38.65 51.59,38.65 ; 43.57,37.92 43.4,37.92 ; 43.57,37.92 43.57,38.31 ; 43.85,38.03 42.85,38.03 ; 43.85,38.03 R13.2 ; 42.85,37.92 38.1,37.92 ; 42.85,37.92 42.85,38.03 ; 42.85,37.92 43.12,37.92 ; 43.4,37.92 43.35,37.97 R13.2 ; 43.4,37.92 43.12,37.92 ; 42.85,38.03 R13.2 ; 43.12,37.92 43.12,38.31
USB_D-: length 13.8
  Top w0.2: 38.1,37.47 50.07,37.47 50.8,36.75 51.59,36.75
VAA: length 42
  Top w0.254: v2(8.65,16.5) 10.18,16.5 R11.2 ; v2(16.55,17.55) 16.56,17.53 R15.2 ; v2(24.25,19.3) 24.9,19.95 R12.2 25.19,20.53 27.3,18.42 27.3,13.02 C14.1
  Top w0.508: R5.1 28.85,11.47 ; R4.1 30.18,11.31
  In2.Cu w0.254: v2(8.65,16.5) 15.5,16.5 v2(16.55,17.55) 16.75,17.55 20.8,13.5 22.45,13.5 24.25,15.3 v2(24.25,19.3)
X1: length 6.3
  Top w0.254: U4.5 25.3,37.45 24.12,38.62 22.85,38.62 ; 22.69,38.48 C24.1
X2: length 6.3
  Top w0.254: U4.6 25.07,36.95 24.38,36.25 Y1.3 ; 22.46,36.08 21.19,34.82
Net-(C31-Pad1): length 3.1
  Top w0.254: R14.1 24.9,23.78 ; C31.1 24.82,23.71
Net-(C40-Pad1): length 16.3
  Top w0.25: v1(17.1,24.6) 17.1,24.48 R20.1 ; v2(21.29,14.6) 21.3,14.6 21.3,12.46 C40.1
  In2.Cu w0.25: v2(21.29,14.6) 21.12,14.77 21.11,14.77 17.1,18.79 v1(17.1,24.6)
Net-(D1-A): length 1.8
  Top w0.508: R1.1 41.8,35.13
Net-(D2-A): length 1.6
  Top w0.508: R8.2 D2.2
Net-(J1-CC1): length 7.5
  Top w0.254: R2.1 65.35,31.51 65.35,35.22 64.87,35.7 J1.A5
Net-(J1-CC2): length 7.1
  Top w0.254: J1.B5 64.9,38.7 65.45,39.25 65.45,43.16 65.14,43.46
Net-(L1-Pad1): length 1.5
  Top w0.508: L1.1 54.97,27.88 R24.2
Net-(R16-Pad1): length 14
  Top w0.25: 19.63,23.77 R20.2 ; v2(20,18.85) 20.06,18.91 R19.1 21.22,21.07 21.22,22.17 19.65,23.75 ; v2(21.6,16.45) 21.6,16.15 20.76,15.31 U8.7
  In2.Cu w0.25: v2(20,18.85) 20,18.8 21.6,17.2 v2(21.6,16.45)
Net-(U4-PB15): length 13.8
  Top w0.254: v1(45.4,27.4) TP3.1 ; v1(40.4,33.4) 40.35,33.45 U4.36
  In2.Cu w0.254: v1(45.4,27.4) 45.4,27.65 44.4,28.65 44.4,30.4 41.4,33.4 v1(40.4,33.4)
Net-(U4-PC3): length 12.7
  Top w0.254: R8.1 17.52,33.71 23.21,33.71 23.95,34.45 U4.11
Net-(U4-PC8): length 13.3
  Top w0.254: TP2.1 v1(45.65,28.65) ; v1(40.4,34.9) 40.35,34.95 U4.39
  In2.Cu w0.254: v1(40.4,34.9) 41.36,34.9 45.9,30.36 45.9,28.9 v1(45.65,28.65)
Net-(U4-VCAP1): length 4.7
  Top w0.254: U4.30 35.15,27.95
  Top w0.508: 35.15,27.95 35.15,27.35 36.6,25.9
Net-(U8A-+): length 6.9
  Top w0.254: C31.2 23.1,20.56 ; 23.07,20.53 23.07,16.92 23.41,16.58 U8.3
Net-(U8A--): length 4.1
  Top w0.254: 26.61,12.05 U8.1 U8.2
Net-(U8B-+): length 10.9
  Top w0.254: R21.2 R18.1 R16.2 21.85,23.36 21.85,18.75 20.95,17.85 U8.5
Net-(U8B--): length 5.2
  Top w0.254: 18.91,16.58 18.23,17.26 R19.2 18.23,21.46

## Copper pours and planes (outline as drawn; the poured copper is in the pictures)
3.3V on Bottom: 64.89,5.06 9.99,4.96 10.09,52.96 64.88,52.94
GND on Top: 85.3,-3.7 -3.3,-3.9 -3.1,59.2 85.4,59.4
GND on Bottom: 69.8,2.35 69.8,50.35 66.9,50.35 66.9,2.35
GND on Bottom: 10.09,52.96 10.07,53.41 10.01,53.85 9.91,54.29 9.77,54.72 9.6,55.13 9.38,55.52 9.14,55.9 8.86,56.25 8.55,56.57 8.21,56.87 7.84,57.13 7.46,57.36 7.06,57.56 6.64,57.71 6.2,57.83 5.76,57.91 5.31,57.95 4.87,57.95 4.42,57.91 3.98,57.83 3.55,57.71 3.13,57.56 2.72,57.36 2.34,57.13 1.97,56.87 1.63,56.57 1.32,56.25 1.05,55.9 0.8,55.52 0.59,55.13 0.41,54.72 0.27,54.29 0.17,53.85 0.11,53.41 0.09,52.96 0.11,52.51 0.17,52.07 0.27,51.63 0.41,51.2 0.59,50.79 0.8,50.4 1.05,50.02 1.32,49.67 1.63,49.35 1.97,49.05 2.34,48.79 2.72,48.56 3.13,48.36 3.55,48.2 3.98,48.08 4.42,48 4.87,47.96 5.31,47.96 5.76,48 6.2,48.08 6.64,48.2 7.06,48.36 7.46,48.56 7.84,48.79 8.21,49.05 8.55,49.35 8.86,49.67 9.14,50.02 9.38,50.4 9.6,50.79 9.77,51.2 9.91,51.63 10.01,52.07 10.07,52.51
GND on Bottom: 74.88,52.94 74.86,53.39 74.8,53.84 74.7,54.27 74.56,54.7 74.39,55.11 74.17,55.51 73.93,55.88 73.65,56.23 73.34,56.56 73,56.85 72.63,57.12 72.25,57.35 71.85,57.54 71.43,57.7 70.99,57.82 70.55,57.9 70.1,57.94 69.66,57.94 69.21,57.9 68.77,57.82 68.34,57.7 67.92,57.54 67.51,57.35 67.13,57.12 66.76,56.85 66.43,56.56 66.12,56.23 65.84,55.88 65.59,55.51 65.38,55.11 65.2,54.7 65.06,54.27 64.96,53.84 64.9,53.39 64.88,52.94 64.9,52.49 64.96,52.05 65.06,51.61 65.2,51.19 65.38,50.77 65.59,50.38 65.84,50 66.12,49.65 66.43,49.33 66.76,49.03 67.13,48.77 67.51,48.54 67.92,48.35 68.34,48.19 68.77,48.07 69.21,47.99 69.66,47.95 70.1,47.95 70.55,47.99 70.99,48.07 71.43,48.19 71.85,48.35 72.25,48.54 72.63,48.77 73,49.03 73.34,49.33 73.65,49.65 73.93,50 74.17,50.38 74.39,50.77 74.56,51.19 74.7,51.61 74.8,52.05 74.86,52.49
GND on Bottom: 68.2,5.05 9.07,5 9.07,7.9 68.2,7.95
GND on Bottom: 7.75,48.85 7.75,8.95 4.85,8.95 4.85,48.85
GND on Bottom: 74.89,5.06 74.87,5.51 74.81,5.95 74.71,6.39 74.57,6.82 74.4,7.23 74.18,7.62 73.94,8 73.66,8.35 73.35,8.67 73.01,8.97 72.64,9.23 72.26,9.46 71.86,9.66 71.44,9.81 71,9.93 70.56,10.01 70.11,10.05 69.67,10.05 69.22,10.01 68.78,9.93 68.35,9.81 67.93,9.66 67.52,9.46 67.14,9.23 66.77,8.97 66.43,8.67 66.12,8.35 65.85,8 65.6,7.62 65.39,7.23 65.21,6.82 65.07,6.39 64.97,5.95 64.91,5.51 64.89,5.06 64.91,4.61 64.97,4.17 65.07,3.73 65.21,3.3 65.39,2.89 65.6,2.5 65.85,2.12 66.12,1.77 66.43,1.45 66.77,1.15 67.14,0.89 67.52,0.66 67.93,0.46 68.35,0.3 68.78,0.18 69.22,0.1 69.67,0.06 70.11,0.06 70.56,0.1 71,0.18 71.44,0.3 71.86,0.46 72.26,0.66 72.64,0.89 73.01,1.15 73.35,1.45 73.66,1.77 73.94,2.12 74.18,2.5 74.4,2.89 74.57,3.3 74.71,3.73 74.81,4.17 74.87,4.61
GND on Bottom: 6.45,53.15 67.15,53.04 67.15,50.14 6.45,50.25
GND on Bottom: 9.99,4.96 9.97,5.41 9.91,5.85 9.81,6.29 9.67,6.72 9.5,7.13 9.28,7.52 9.04,7.9 8.76,8.25 8.45,8.57 8.11,8.87 7.74,9.13 7.36,9.36 6.96,9.56 6.54,9.71 6.1,9.83 5.66,9.91 5.21,9.95 4.77,9.95 4.32,9.91 3.88,9.83 3.45,9.71 3.03,9.56 2.62,9.36 2.24,9.13 1.87,8.87 1.53,8.57 1.22,8.25 0.95,7.9 0.7,7.52 0.49,7.13 0.31,6.72 0.17,6.29 0.07,5.85 0.01,5.41 -0.01,4.96 0.01,4.51 0.07,4.07 0.17,3.63 0.31,3.2 0.49,2.79 0.7,2.4 0.95,2.02 1.22,1.67 1.53,1.35 1.87,1.05 2.24,0.79 2.62,0.56 3.03,0.36 3.45,0.2 3.88,0.08 4.32,0 4.77,-0.04 5.21,-0.04 5.66,0 6.1,0.08 6.54,0.2 6.96,0.36 7.36,0.56 7.74,0.79 8.11,1.05 8.45,1.35 8.76,1.67 9.04,2.02 9.28,2.4 9.5,2.79 9.67,3.2 9.81,3.63 9.91,4.07 9.97,4.51
GND on Bottom: 62.08,50.17 70.7,50.15 70.7,53.05 62.08,53.07
GND on In1.Cu: 84.7,-2.8 -2.5,-2.7 -2.5,58.8 84.6,59

## Text on the board
B.Silkscreen: ANALOG | AIN0 | AIN1 | G | OSC | AOUT
F.Silkscreen: STATUS / (PC3) | CS(PA2) | I2C Interface | Prog. Interface | UART Interface | 3V3 | SDA | SCL | G | SWC | SWD | CS(PB0) | Rx | Tx | GH: Tommy270502 | APOLLO - DSP | JLCJLCJLCJLC | Thomas Perri | RST
